# KiCad board travis_erg2024-new5.kicad_pcb (continued)
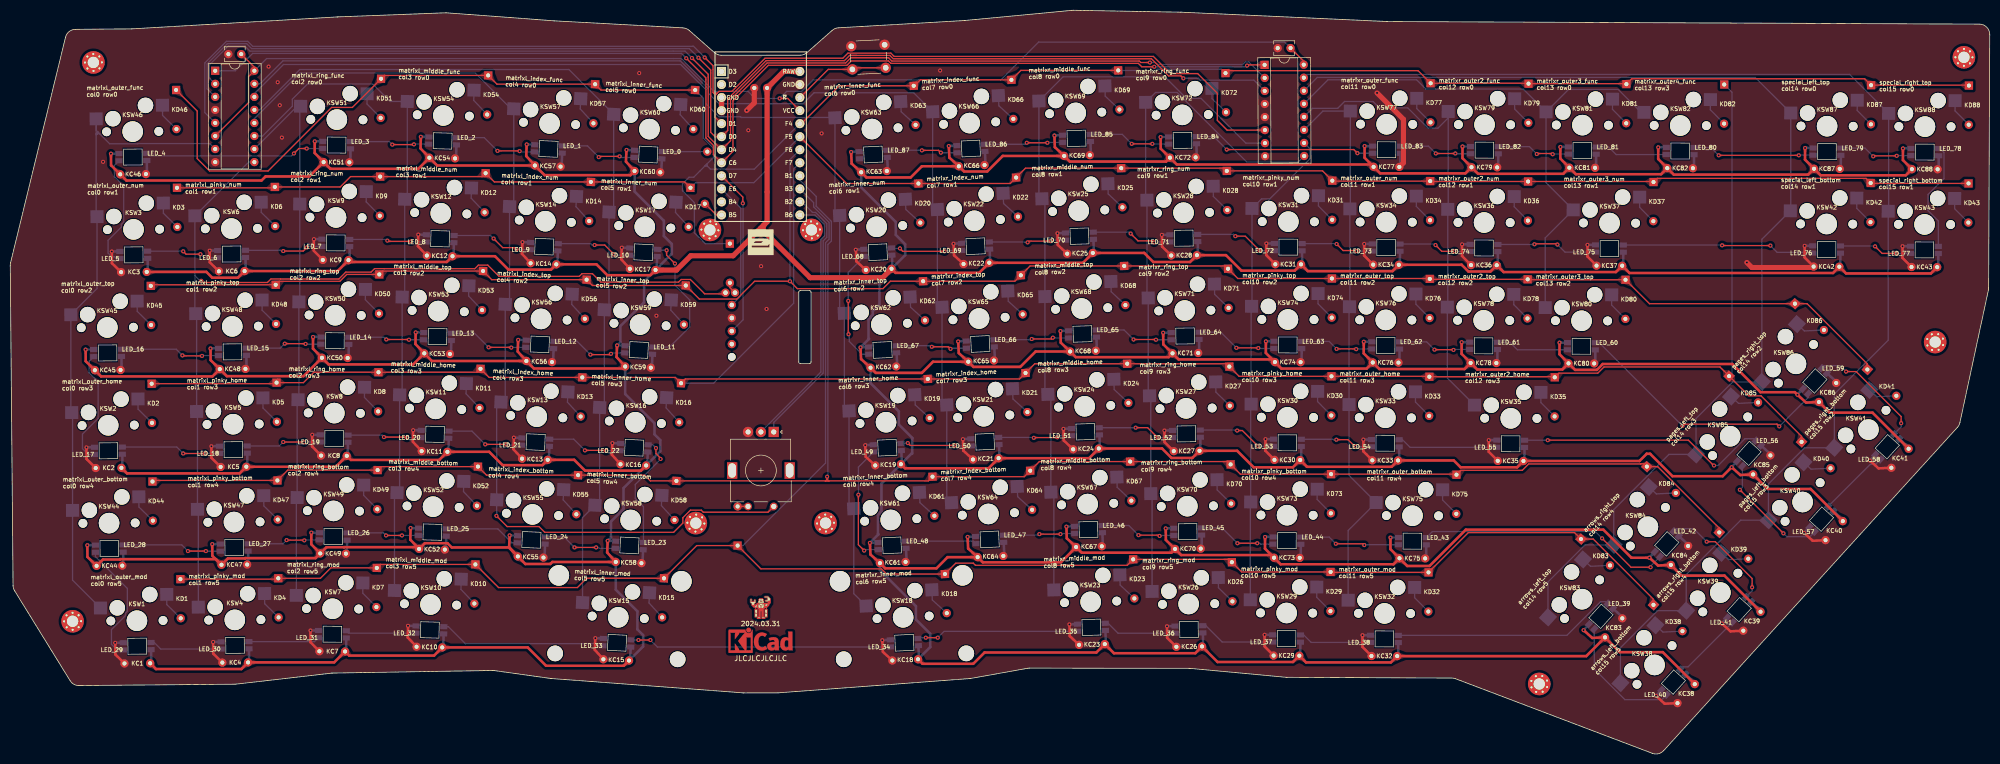
[diagram p0: board, top side]
## Routing (per net, layer and track width the routed paths; a pad name or vN(x,y) marks a point on that pad's centre or on a via; arc(x,y) is an arc through that point) (continued)
  Bottom w0.25: v1(135.16,135.57) 132.98,137.75 47.18,137.75 46.22,138.72 42.07,138.72 37.86,134.51 37.86,124.85 DIP1.5
pages_left_bottom: length 5.8
  Bottom w0.25: KD40.2 350.49,55.41 KSW40.2
pages_left_top: length 5.8
  Bottom w0.25: KD85.2 336.39,68.22 KSW85.2
pages_right_bottom: length 5.8
  Bottom w0.25: KSW41.2 363.3,69.51 367.09,69.7
pages_right_top: length 5.8
  Bottom w0.25: KD86.2 349.2,82.32 KSW86.2
RAW: length 2514.9
  Top w0.5: KC48.1 39.36,73.47 17.67,73.47 KC45.1 14.68,76.43 v1(14.66,78.7) ; KC48.1 39,76.64 v1(38.98,78.91) ; KC48.1 42.15,73.52 57.08,73.52 KC50.1 ; KC83.1 307.9,22.54 v1(306.22,24.07) ; KC83.1 313.28,19.78 321.63,19.78 KC38.1 ; KC83.1 306.74,19.01 KC32.1 268.71,17.78 252.2,17.78 KC29.1 249.66,17.86 234.98,17.86 KC26.1 230.64,19.57 214.81,19.57 KC23.1 211.39,19.72 189.63,19.72 187.43,17.52 177.55,17.52 KC18.1 ; KC55.1 97.09,40.26 v1(97.19,42.52) ; KC55.1 97.03,40.17 85.92,40.17 85.09,41 80.7,41 KC52.1 ; KC55.1 100.25,36.95 105.11,36.95 105.51,37.34 KC58.1 116.17,39.19 v1(116.28,41.46) ; KC77.1 266.62,113.01 283.21,113.01 KC79.1 ; KC77.1 263.59,116.05 v1(263.6,118.32) ; KC77.1 264.89,114.74 227.03,114.74 KC72.1 ; v1(203.23,120.38) 203.3,118.12 KC69.1 ; v1(39.31,40.81) 39.33,38.54 KC47.1 ; KC68.1 204.47,80.03 v1(204.4,82.3) ; KC68.1 199.57,78.32 196.57,75.32 187.47,75.32 KC65.1 ; KC68.1 207.38,77.22 225.47,77.22 KC71.1 ; KC47.1 42.35,38.04 45.67,38.04 45.72,38.09 59.42,38.09 KC49.1 ; KC47.1 40.02,37.89 21.42,37.89 21.35,37.82 18.04,37.82 KC44.1 15.02,38.33 v1(15,40.6) ; KC19.1 174.15,55.58 190.4,55.58 KC21.1 209.98,57.54 KC24.1 224.18,59.43 226.01,57.6 230.07,57.6 KC27.1 238.79,58.98 242.01,55.77 249.63,55.77 KC30.1 252.36,55.88 268.87,55.88 KC33.1 280.94,57.11 282.27,55.77 293.29,55.77 KC35.1 317.09,57 318.5,58.41 319.16,58.41 323.53,54.04 333.29,54.04 v1(335.04,55.79) 336.71,54.27 KC85.1 342.05,51.55 350.4,51.55 KC40.1 ; v1(163.65,117.17) 163.76,114.9 KC63.1 166.62,112.21 175.25,112.21 177.42,114.39 KC66.1 ; v1(100.52,118.65) 100.42,116.38 KC57.1 ; v1(301.54,80.05) 301.53,77.79 KC80.1 ; v1(119.94,117.57) 119.83,115.3 KC60.1 120.71,112.65 103.99,112.65 KC57.1 ; KC1.1 28.35,16.49 44.98,16.49 KC4.1 63.04,17.79 KC7.1 65.96,19.11 82.48,19.11 KC10.1 100.71,20.7 104.27,17.14 119.42,17.14 KC15.1 ; KC66.1 185.64,113.38 190.14,113.38 193.17,116.4 KC69.1 ; KC66.1 182.78,116.07 v1(182.67,118.33) ; KC79.1 285.67,112.92 302.26,112.92 KC81.1 ; KC79.1 282.64,115.97 v1(282.65,118.24) ; KC57.1 83.08,114.54 KC54.1 ; v1(77.92,43.95) 77.86,41.69 KC52.1 ; KC41.1 362.46,66.41 354.1,66.41 KC86.1 349.52,68.37 v1(347.85,69.89) 347.34,70.4 340.64,70.4 335.16,75.88 309.95,75.88 308.8,74.74 304.56,74.74 KC80.1 ; KC53.1 78.85,79.78 v1(78.91,82.04) ; KC53.1 78.42,75.81 61.96,75.81 KC50.1 ; KC53.1 82.06,76.48 KC56.1 ; KC64.1 189.29,37.27 204.48,37.27 KC67.1 ; KC64.1 182.44,38.28 180.26,36.1 170.28,36.1 KC61.1 167.42,38.79 v1(167.31,41.05) ; KC64.1 186.43,39.96 v1(186.33,42.22) ; KC82.1 323.77,112.76 349.93,112.76 KC87.1 ; KC82.1 320.74,115.8 v1(320.75,118.07) ; KC82.1 321.31,112.84 304.72,112.84 KC81.1 ; KC39.1 333.64,34.68 325.28,34.68 KC84.1 320.7,36.64 v1(319.03,38.17) 315.52,38.17 310.06,43.63 283.29,43.63 276.23,36.56 271.88,36.56 KC75.1 ; KC20.1 172.32,93.64 188.57,93.64 KC22.1 208.79,95.6 KC25.1 220.7,97.51 222.46,95.75 229.63,95.75 KC28.1 236.61,97.08 239.63,94.06 249.99,94.06 KC31.1 252.53,93.98 269.04,93.98 KC34.1 282.49,95.21 283.8,93.9 288.09,93.9 KC36.1 290.65,93.79 312.5,93.79 KC37.1 315.14,93.61 354.77,93.61 KC42.1 357.3,93.52 373.81,93.52 KC43.1 ; KC54.1 79.43,113.91 62.29,113.91 KC51.1 ; KC54.1 79.85,117.86 v1(79.91,120.13) ; v1(165.48,79.11) 165.59,76.85 KC62.1 168.45,74.16 177.42,74.16 179.6,76.33 KC65.1 ; KC75.1 269.22,36.89 247.24,36.89 KC73.1 ; KC75.1 268.62,39.83 v1(268.63,42.1) ; KC72.1 224.95,115.31 206.22,115.31 KC69.1 ; KC72.1 223.92,117.81 v1(223.89,120.07) ; KC70.1 227.89,38.68 245.45,38.68 KC73.1 ; KC70.1 224.92,41.61 v1(224.89,43.88) ; KC70.1 225.98,39.14 208.55,39.14 KC67.1 ; v1(244.39,80.3) 244.38,78.04 KC74.1 ; KC3.1 38.17,93.82 39.3,92.69 44.32,92.69 KC6.1 63.71,93.98 KC9.1 66.18,95.76 84.95,95.76 KC12.1 94.34,96.88 96.96,94.26 105.24,94.26 KC14.1 114.1,95.29 116.21,93.18 124.58,93.18 KC17.1 ; KC71.1 224.42,79.71 v1(224.39,81.97) ; KC71.1 227.39,76.78 245.62,76.78 KC74.1 ; KC67.1 205.63,41.95 v1(205.56,44.22) ; KC80.1 302.1,74.82 285.51,74.82 KC78.1 ; KC81.1 301.69,115.89 v1(301.7,118.15) ; v1(184.5,80.27) 184.61,78.01 KC65.1 ; KC73.1 244.21,39.94 v1(244.22,42.2) ; KC51.1 59.24,116.98 v1(59.26,119.25) ; KC51.1 58.21,112.41 49.69,112.41 48.9,111.62 22.6,111.62 KC46.1 19.61,114.57 v1(19.59,116.84) ; KC49.1 61.53,40.2 64.95,40.2 64.97,40.22 79.23,40.22 KC52.1 ; KC49.1 58.58,40.78 v1(58.6,43.05) ; KC87.1 349.32,115.68 v1(349.33,117.95) ; KC87.1 352.35,112.63 368.94,112.63 KC88.1 368.37,115.6 v1(368.38,117.86) ; KC76.1 266.46,74.91 283.05,74.91 KC78.1 ; KC76.1 264,74.99 247.41,74.99 KC74.1 ; KC76.1 263.43,77.95 v1(263.44,80.22) ; KC78.1 282.48,77.87 v1(282.49,80.14) ; KC50.1 58.91,78.88 v1(58.93,81.15) ; v1(118.11,79.51) 118,77.25 KC59.1 119.29,75.01 101.91,75.01 KC56.1 ; KC16.1 122.75,55.12 111.87,55.12 109.76,57.23 KC13.1 103.58,56.2 95.81,56.2 93.22,58.79 KC11.1 83.49,57.21 66.3,57.21 KC8.1 63.37,55.88 KC5.1 44.65,54.59 22.71,54.59 KC2.1 ; KC56.1 98.76,78.32 v1(98.85,80.58)
  Top w1: MCU1.24 150.53,132.85 C1.1 147.31,103.57 146.74,103.01 ; KC20.1 169.78,92.7 155.69,92.7 146.89,101.49 ; 146.06,102.32 146.89,101.49 ; 146.06,102.32 145.35,101.61 ; 146.06,102.32 146.74,103.01 ; 146.89,101.49 146.54,101.84 ; 145.35,101.61 140.7,96.97 132.45,96.97 129.67,94.19 KC17.1 ; 145.35,101.61 145.57,101.84 146.54,101.84 ; 146.74,103.01 146.54,102.81 146.54,101.84
  Bottom w0.5: KC59.1 119.68,70.05 125.38,64.34 125.38,62.19 126.52,61.05 126.52,58.89 KC16.1 ; v1(306.22,24.07) 306.22,24.08 KLED83.1 ; KC14.1 106.48,95.48 KLED14.1 ; v1(98.85,80.58) 98.86,80.59 KLED56.1 ; KLED80.1 301.54,80.06 v1(301.54,80.05) ; v1(97.19,42.52) 97.2,42.53 KLED55.1 ; KC7.1 65.37,20.11 KLED7.1 ; v1(335.04,55.79) 335.04,55.8 KLED85.1 ; v1(39.31,40.81) 39.32,40.82 KLED47.1 ; v1(184.5,80.27) 184.5,80.28 KLED65.1 ; KC29.1 251.09,19.29 KLED29.1 ; KC36.1 289.52,95.32 KLED36.1 ; KC43.1 375.24,94.95 KLED43.1 ; v1(203.23,120.38) 203.24,120.39 KLED69.1 ; KLED1.1 27.43,17.82 KC1.1 ; v1(263.6,118.32) 263.61,118.33 KLED77.1 ; v1(320.75,118.07) 320.76,118.08 KLED82.1 ; v1(163.65,117.17) 163.66,117.17 KLED63.1 ; KLED64.1 186.33,42.23 v1(186.33,42.22) ; KLED50.1 58.94,81.16 v1(58.93,81.15) ; KLED42.1 356.19,95.03 KC42.1 ; KC11.1 85.28,58.98 KLED11.1 ; KLED33.1 270.3,57.31 KC33.1 ; KLED44.1 15,40.6 v1(15,40.6) ; KC31.1 251.42,95.49 KLED31.1 ; KLED39.1 340.65,27.94 KC39.1 ; v1(319.03,38.17) 319.03,38.18 KLED84.1 ; KLED37.1 313.93,95.22 KC37.1 ; v1(347.85,69.89) 347.85,69.9 KLED86.1 ; KC4.1 46.47,17.99 KLED4.1 ; KC13.1 104.82,57.42 KLED13.1 ; KLED38.1 327.84,13.84 KC38.1 ; KLED30.1 251.25,57.39 KC30.1 ; v1(182.67,118.33) 182.68,118.34 KLED66.1 ; KLED27.1 231.66,59.19 KC27.1 ; KC41.1 369.47,59.67 KLED41.1 ; KLED46.1 19.6,116.85 v1(19.59,116.84) ; v1(223.89,120.07) 223.9,120.08 KLED72.1 ; v1(119.94,117.57) 119.94,117.57 KLED60.1 ; KLED8.1 65.7,58.21 KC8.1 ; v1(77.92,43.95) 77.92,43.96 79.48,43.92 ; KC17.1 128.72,97.32 128.76,97.32 128.76,99.25 127.21,100.8 127.21,103.78 121.51,109.48 KC60.1 ; KC17.1 123.36,91.95 123.36,87.88 118.75,83.27 118.75,80.15 v1(118.11,79.51) 118.11,79.52 KLED59.1 ; KC17.1 125.8,94.38 KLED17.1 ; v1(100.52,118.65) 100.52,118.66 KLED57.1 ; v1(79.91,120.13) 79.92,120.13 KLED54.1 ; KLED12.1 86.28,97.07 KC12.1 ; KLED34.1 270.47,95.41 KC34.1 ; KLED49.1 58.61,43.06 v1(58.6,43.05) ; KC3.1 26.76,94.02 KLED3.1 ; KLED73.1 244.23,42.21 v1(244.22,42.2) ; KLED18.1 176.86,18.6 KC18.1 179.05,20.77 179.05,20.77 179.05,23.36 176.27,26.13 176.27,28.73 169.27,35.74 KC61.1 ; KLED15.1 120.64,18.34 KC15.1 123.17,20.88 123.17,23.1 122.06,24.22 122.06,27.74 117.85,31.94 KC58.1 ; KLED45.1 14.67,78.7 v1(14.66,78.7) ; KC21.1 192.55,57.75 KLED21.1 ; KC20.1 174.17,97.09 174.17,99.2 172.35,101.03 172.35,103.54 165.61,110.28 KC63.1 ; KC20.1 169.17,92.09 169.17,87.47 167.87,86.17 167.87,85.49 167.45,85.06 167.45,84.94 167.04,84.54 167.04,80.85 167.13,80.76 v1(165.48,79.11) 165.49,79.12 KLED62.1 ; KC20.1 171.71,94.64 KLED20.1 ; KC10.1 84.28,20.9 KLED10.1 ; v1(59.26,119.25) 59.27,119.25 KLED51.1 ; KLED68.1 204.4,82.31 v1(204.4,82.3) ; 294.73,59.64 294.72,57.2 KC35.1 ; KLED67.1 205.57,44.22 v1(205.56,44.22) ; v1(244.39,80.3) 244.39,80.31 KLED74.1 ; KC62.1 167.44,72.15 172.95,66.65 172.95,64.11 175.6,61.46 175.54,61.41 175.54,58.46 175.43,58.46 KC19.1 ; KC28.1 231.16,97.28 KLED28.1 ; KC16.1 119.36,51.73 119.36,47.65 116.92,45.22 116.92,42.1 v1(116.28,41.46) 116.29,41.46 KLED58.1 ; KC16.1 123.97,56.32 KLED16.1 ; KLED88.1 368.38,117.87 v1(368.38,117.86) ; KLED32.1 270.14,19.21 KC32.1 ; KLED53.1 78.92,82.05 v1(78.91,82.04) ; KC9.1 66.03,96.3 KLED9.1 ; KC6.1 45.81,94.19 KLED6.1 ; v1(38.98,78.91) 38.98,78.92 KLED48.1 ; KC22.1 190.73,95.81 KLED22.1 ; KC24.1 212.06,59.64 KLED24.1 ; KC19.1 173.54,56.59 KLED19.1 ; KC19.1 169.56,52.59 169.56,47.24 169.25,46.93 169.25,46.84 168.87,46.47 168.87,42.81 168.97,42.71 v1(167.31,41.05) 167.32,41.06 168.87,41.14 ; KLED76.1 263.44,80.23 v1(263.44,80.22) ; v1(282.49,80.14) 282.49,80.14 KLED78.1 ; KLED2.1 21.83,55.87 KC2.1 ; v1(224.89,43.88) 224.9,43.89 KLED70.1 ; v1(282.65,118.24) 282.66,118.24 KLED79.1 ; KLED87.1 349.33,117.95 v1(349.33,117.95) ; KC23.1 213.22,21.56 KLED23.1 ; KC26.1 232.15,21.09 KLED26.1 ; KLED81.1 301.71,118.16 v1(301.7,118.15) ; v1(224.39,81.97) 224.4,81.98 KLED71.1 ; KC40.1 356.66,45.56 KLED40.1 ; KLED25.1 210.9,97.72 KC25.1 ; v1(268.63,42.1) 268.64,42.1 KLED75.1 ; KC5.1 46.14,56.09 KLED5.1
row0: length 421.3
  Top w0.25: 235.99,133.06 KD72.1 237,133.01 274,133.01 KD77.1 295.42,130.56 KD79.1 314.46,130.47 KD81.1 315.59,131.43 360.92,131.43 KD87.1 381.14,130.18 KD88.1 ; KD60.1 114.97,129.23 KD57.1 94.73,130.37 KD54.1 72.82,132.08 KD51.1 66.58,125.85 62.55,125.85 50.18,113.48 38.79,113.48 36.38,115.89 36.38,125.14 KD46.1 ; MCU1.20 153.97,122.69 161.34,130.06 KD63.1 175.97,130.06 177.14,131.22 KD66.1 196.69,133.06 KD69.1
  Bottom w0.25: KD72.1 235.76,133.29 223.2,133.29 222.95,133.03 215.67,133.03 KD69.1 ; MCU1.20 144.82,113.83 136.28,113.83 135.64,114.47 ; 135.18,114.42 135.23,114.47 135.64,114.47 ; 135.18,114.42 135.43,114.67 ; 135.18,114.42 133.02,112.26 132.11,112.26 130.84,110.99 130.84,109.62 133.15,107.31 133.15,101.44 135.27,99.32 D1.1 ; 135.61,114.85 135.61,114.5 135.64,114.47 ; 135.61,114.85 136.85,116.09 136.85,117.9 134.89,119.86 134.89,127.64 KD60.1 ; 135.61,114.85 135.43,114.67 ; 135.64,114.47 135.43,114.67
row1: length 362
  Top w0.25: MCU1.19 162.8,111.03 KD20.1 194.61,111.03 KD22.1 197.59,114.02 KD25.1 236.24,114.02 KD28.1 255.42,113.48 KD31.1 257.4,111.51 KD34.1 276.45,111.42 KD36.1 319.72,111.42 KD37.1 320.54,112.03 361.19,112.03 KD42.1 362.17,111.05 KD43.1 ; KD17.1 131.25,111.34 KD14.1 94.22,111.34 KD12.1 91.86,112.38 KD9.1 66.23,112.38 64.21,110.36 KD6.1 51.33,110.19 KD3.1
  Bottom w0.25: KD17.1 133.38,111.19 144.72,111.19 MCU1.19
row2: length 377.1
  Top w0.25: KD45.1 27.56,91.31 KD48.1 52.34,91.99 64.14,91.99 65.48,93.33 KD50.1 72.49,93.99 KD53.1 93.71,92.31 KD56.1 113.3,91.18 KD59.1 134.12,88.53 141.41,88.53 144.88,92 v1(151.75,92) ; v1(151.75,92) 153.19,90.57 169.86,90.57 171.29,92 KD62.1 195.52,92 KD65.1 198.49,94.98 KD68.1 236.48,94.98 KD71.1 238.91,92.54 KD74.1 276.2,92.54 KD76.1 276.37,92.37 KD78.1 295.41,92.29 KD80.1 319.04,87.63 KD86.1 349.72,87.63 361.45,75.9 KD41.1 ; v1(151.75,92) 151.56,92.19
  Bottom w0.25: MCU1.18 151.75,115.68 v1(151.75,92)
row3: length 447.5
  Top w0.25: KD40.1 348.64,61.8 340.75,69.69 338.38,69.69 KD85.1 332.76,75.31 310.18,75.31 308.98,74.11 301.42,74.11 KD35.1 300.5,73.41 KD33.1 276.12,73.49 KD30.1 239.16,73.49 KD27.1 236.72,75.93 KD24.1 199.39,75.93 KD21.1 196.44,72.97 KD19.1 131.39,72.97 KD16.1 129.43,73.28 KD13.1 93.2,73.28 KD11.1 90.85,74.28 KD8.1 59.08,74.28 57.06,72.26 KD5.1 51.61,72.05 KD2.1
  Bottom w0.25: MCU1.17 152.48,113.87 152.48,87.73 136.9,72.15 KD16.1 ; KD85.1 335.11,74.09 335.11,128.8 KD82.1
row4: length 380
  Top w0.25: 158.98,53.43 158.68,53.13 158.68,53.12 ; 158.98,53.43 v1(158.98,53.94) ; 158.98,53.43 158.98,53.12 ; 158.98,53.43 159.29,53.12 159.34,53.12 ; KD39.1 332.63,43.91 320.64,55.9 KD84.1 317.98,56.45 317.35,56.45 317.33,56.43 295.53,56.43 294.29,55.18 282.33,55.18 KD75.1 281.37,54.44 KD73.1 239.42,54.44 KD70.1 236.96,56.89 KD67.1 200.3,56.89 KD64.1 197.35,53.95 KD61.1 178.67,53.12 159.34,53.12 ; 159.34,53.12 158.98,53.12 ; 158.68,53.12 KD58.1 124.59,53.12 123.46,54.24 KD55.1 92.69,54.24 KD52.1 72.17,55.91 KD49.1 54.01,55.23 KD47.1 27.89,53.21 KD44.1 ; 158.68,53.12 158.98,53.12
  Bottom w0.25: v1(158.98,53.94) 159.13,54.08 159.13,99.15 159.81,99.84 159.81,103.66 156.85,106.62 156.86,106.63 156.86,108.51 153.68,111.69 MCU1.16
row5: length 387.5
  Top w0.25: KD1.1 51.99,34 KD4.1 60.37,34.16 62.38,36.18 KD7.1 72.01,36.86 KD10.1 95.03,32.36 110.38,32.36 112.18,34.16 KD15.1 133.6,40.53 D2.1 146.1,35.99 169.57,35.99 170.57,34.99 KD18.1 184.02,37.1 187.44,37.1 187.85,36.69 217.39,36.69 KD23.1 237.2,37.85 KD26.1 239.67,35.39 KD29.1 257.07,35.31 KD32.1 283.78,43.05 304.47,43.05 KD83.1 308.09,41.8 319.82,30.07 KD38.1
  Bottom w0.25: D2.1 142.61,40.53 158.68,56.6 158.68,99.51 159.36,100.19 159.36,103.47 156.36,106.47 156.36,107.3 MCU1.15
RST: length 19.1
  Top w0.25: MCU1.22 153.72,127.77 159.2,133.25 SW1.2 164.21,133.56 SW1.2
scr_to: length 2.3
  Top w0.25: SCR1.S2 140.06,90.77 D1.2
scrA: length 24.9
  Bottom w0.25: SCR1.A 142.18,89.13 142.18,106.24 MCU1.10
scrC: length 32.9
  Top w0.25: v1(142.58,107.18) 142.58,108.39 MCU1.9
  Bottom w0.25: SCR1.C 142.63,84.5 142.63,107.12 v1(142.58,107.18)
special_left_bottom: length 5.8
  Bottom w0.25: KD42.2 359.38,106.21 KSW42.2
special_left_top: length 5.8
  Bottom w0.25: KSW87.2 359.47,125.26 KD87.2
special_right_bottom: length 5.8
  Bottom w0.25: KSW43.2 378.43,106.12 KD43.2
special_right_top: length 5.8
  Bottom w0.25: KSW88.2 378.52,125.17 KD88.2

## Copper pours and planes (outline as drawn; the poured copper is in the pictures)
GND on Top: 386.97,156.25 385.35,30.22 336.68,-16.32 9.94,-13.63 -3.07,10.2 -0.38,159.5
GND on Bottom: 390.07,152.49 388.55,54.85 322.71,-13.63 5.26,-1.28 -4.39,19.55 -2.36,151.58

Small or netless copper shapes (teardrops, artwork), in the pictures only: 630 on Top, 947 on Bottom

## Text on the board
B.Silkscreen: matrixl_inner_mod / col5 row5 | matrixl_inner_bottom / col5 row4 | matrixl_inner_home / col5 row3 | matrixl_inner_top / col5 row2 | matrixl_inner_num / col5 row1 | matrixl_inner_func / col5 row0 | matrixl_index_bottom / col4 row4 | matrixl_index_home / col4 row3 | matrixl_index_top / col4 row2 | matrixl_index_num / col4 row1 | matrixl_index_func / col4 row0 | matrixl_middle_mod / col3 row5 | matrixl_middle_bottom / col3 row4 | matrixl_middle_home / col3 row3 | matrixl_middle_top / col3 row2 | matrixl_middle_num / col3 row1 | matrixl_middle_func / col3 row0 | matrixl_ring_mod / col2 row5 | matrixl_ring_bottom / col2 row4 | matrixl_ring_home / col2 row3 | matrixl_ring_top / col2 row2 | matrixl_ring_num / col2 row1 | matrixl_ring_func / col2 row0 | matrixr_pinky_mod / col10 row5 | matrixr_pinky_bottom / col10 row4 | matrixr_pinky_home / col10 row3 | matrixr_pinky_top / col10 row2 | matrixr_pinky_num / col10 row1 | matrixr_outer_mod / col11 row5 | matrixr_outer_home / col11 row3 | matrixr_outer_top / col11 row2 | matrixr_outer_num / col11 row1 | matrixr_outer_func / col11 row0 | matrixr_outer_bottom / col11 row4 | matrixr_outer2_top / col12 row2 | matrixr_outer2_num / col12 row1 | matrixr_outer2_func / col12 row0 | matrixr_outer2_home / col12 row3 | matrixr_outer3_top / col13 row2 | matrixr_outer3_func / col13 row0 | matrixr_outer3_num / col13 row1 | matrixr_outer4_func / col13 row3 | special_left_bottom / col14 row1 | special_left_top / col14 row0 | special_right_bottom / col15 row1 | special_right_top / col15 row0 | matrixl_outer_top / col0 row2 | matrixl_outer_home / col0 row3 | matrixl_outer_bottom / col0 row4 | matrixl_outer_func / col0 row0 | matrixl_outer_num / col0 row1 | matrixl_outer_mod / col0 row5 | matrixl_pinky_num / col1 row1 | matrixl_pinky_top / col1 row2 | matrixl_pinky_home / col1 row3 | matrixl_pinky_bottom / col1 row4 | matrixl_pinky_mod / col1 row5 | matrixr_ring_func / col9 row0 | matrixr_ring_num / col9 row1 | matrixr_ring_top / col9 row2 | matrixr_ring_home / col9 row3 | matrixr_ring_bottom / col9 row4 | matrixr_ring_mod / col9 row5 | matrixr_middle_func / col8 row0 | matrixr_middle_num / col8 row1 | matrixr_middle_top / col8 row2 | matrixr_middle_home / col8 row3 | matrixr_middle_bottom / col8 row4 | matrixr_middle_mod / col8 row5 | matrixr_inner_func / col6 row0 | matrixr_inner_num / col6 row1 | matrixr_inner_top / col6 row2 | matrixr_inner_home / col6 row3 | matrixr_inner_bottom / col6 row4 | matrixr_inner_mod / col6 row5 | matrixr_index_func / col7 row0 | matrixr_index_num / col7 row1 | matrixr_index_top / col7 row2 | matrixr_index_home / col7 row3 | matrixr_index_bottom / col7 row4 | arrows_left_top / col14 row5 | arrows_right_top / col14 row4 | arrows_left_bottom / col15 row5 | arrows_right_bottom / col15 row4 | pages_left_top / col14 row3 | pages_right_top / col14 row2 | pages_left_bottom / col15 row3 | pages_right_bottom / col15 row2 | JLCJLCJLCJLC
F.Silkscreen: matrixl_inner_mod / col5 row5 | matrixl_inner_bottom / col5 row4 | matrixl_inner_home / col5 row3 | matrixl_inner_top / col5 row2 | matrixl_inner_num / col5 row1 | matrixl_inner_func / col5 row0 | matrixl_index_bottom / col4 row4 | matrixl_index_home / col4 row3 | matrixl_index_top / col4 row2 | matrixl_index_num / col4 row1 | matrixl_index_func / col4 row0 | matrixl_middle_mod / col3 row5 | matrixl_middle_bottom / col3 row4 | matrixl_middle_home / col3 row3 | matrixl_middle_top / col3 row2 | matrixl_middle_num / col3 row1 | matrixl_middle_func / col3 row0 | matrixl_ring_mod / col2 row5 | matrixl_ring_bottom / col2 row4 | matrixl_ring_home / col2 row3 | matrixl_ring_top / col2 row2 | matrixl_ring_num / col2 row1 | matrixl_ring_func / col2 row0 | matrixr_pinky_mod / col10 row5 | matrixr_pinky_bottom / col10 row4 | matrixr_pinky_home / col10 row3 | matrixr_pinky_top / col10 row2 | matrixr_pinky_num / col10 row1 | matrixr_outer_mod / col11 row5 | matrixr_outer_home / col11 row3 | matrixr_outer_top / col11 row2 | matrixr_outer_num / col11 row1 | matrixr_outer_func / col11 row0 | matrixr_outer_bottom / col11 row4 | matrixr_outer2_top / col12 row2 | matrixr_outer2_num / col12 row1 | matrixr_outer2_func / col12 row0 | matrixr_outer2_home / col12 row3 | matrixr_outer3_top / col13 row2 | matrixr_outer3_func / col13 row0 | matrixr_outer3_num / col13 row1 | matrixr_outer4_func / col13 row3 | special_left_bottom / col14 row1 | special_left_top / col14 row0 | special_right_bottom / col15 row1 | special_right_top / col15 row0 | LED_16 | LED_28 | KD45 | KD2 | LED_4 | KD44 | KD46 | KD3 | KD1 | LED_15 | LED_27 | KD6 | KD48 | KD5 | KD47 | KD4 | LED_26 | LED_14 | LED_3 | KD7 | KD49 | KD8 | KD50 | KD9 | KD51 | LED_25 | LED_13 | LED_2 | KD10 | KD52 | KD11 | KD53 | KD12 | KD54 | LED_24 | LED_12 | LED_1 | KD55 | KD13 | KD56 | KD14 | KD57 | LED_23 | LED_11 | KD15 | LED_0 | KD58 | KD16 | KD59 | KD17 | KD60 | LED_87 | LED_67 | LED_48 | KD63 | KD20 | KD62 | KD19 | KD61 | KD18 | LED_86 | LED_66 | LED_47 | KD66 | KD22 | KD65 | KD21 | KD64 | LED_85 | LED_65 | LED_46 | KD69 | KD25 | KD68 | KD24 | KD67 | KD23 | LED_84 | LED_64 | LED_45 | KD72 | KD28 | KD71 | KD27 | KD70 | KD26 | LED_44 | LED_63 | KD29 | KD73 | KD30 | KD74 | KD31 | LED_62 | LED_83 | KD32 | KD33 | KD76 | KD34 | KD77 | LED_43 | KD75 | LED_61 | LED_82 | KD78 | KD36 | KD79 | KD35 | KD83 | LED_60 | LED_81 | LED_39 | KD80 | KD81 | KD37 | KD84 | KD38 | LED_42 | LED_80 | KD82 | KD39 | KD85 | LED_56 | KD86 | KD40 | LED_59 | LED_79 | KD42 | KD87 | KD41 | LED_78 | KD43 | KD88 | KC45 | KC2 | KC44 | KC46 | KC3 | KC1 | KC6 | KC48 | KC5 | KC47 | KC4 | KC7 | KC49 | KC8 | KC50 | KC9 | KC51 | KC10 | KC52 | KC11 | KC53 | KC12 | KC54 | KC55 | KC13 | KC56 | KC14 | KC57 | KC15 | KC58 | KC16 | KC59 | KC17 | KC60 | KC63 | KC20 | KC62 | KC19 | KC61 | KC18 | KC66 | KC22 | KC65 | KC21 | KC64 | KC69 | KC25 | KC68 | KC24 | KC67 | KC23 | KC72 | KC28 | KC71 | KC27 | KC70 | KC26 | KC29 | KC73 | KC30 | KC74 | KC31 | KC32 | KC33 | KC76 | KC34 | KC77 | KC75 | KC78 | KC36 | KC79 | KC35 | KC80 | KC81 | KC37 | KC83 | KC84 | KC82 | KC38 | KC39 | KC85 | KC42 | KC87 | KC86 | KC40 | KC41 | KC43 | KC88 | LED_17 | LED_5 | LED_29 | LED_6 | LED_18 | LED_30 | LED_31 | LED_19 | LED_7 | LED_32 | LED_20 | LED_8 | LED_21 | LED_9 | LED_33 | LED_22 | LED_10 | LED_68 | LED_49 | LED_34 | LED_69 | LED_50 | LED_70 | LED_51 | LED_35 | LED_71 | LED_52 | LED_36 | LED_37 | LED_53 | LED_72 | LED_38 | LED_54 | LED_73 | LED_74 | LED_55 | LED_75 | LED_40 | LED_41 | LED_76 | LED_57 | LED_58 | LED_77 | matrixl_outer_top / col0 row2 | matrixl_outer_home / col0 row3 | matrixl_outer_bottom / col0 row4 | matrixl_outer_func / col0 row0 | matrixl_outer_num / col0 row1 | matrixl_outer_mod / col0 row5 | matrixl_pinky_num / col1 row1 | matrixl_pinky_top / col1 row2 | matrixl_pinky_home / col1 row3 | matrixl_pinky_bottom / col1 row4 | matrixl_pinky_mod / col1 row5 | matrixr_ring_func / col9 row0 | matrixr_ring_num / col9 row1 | matrixr_ring_top / col9 row2 | matrixr_ring_home / col9 row3 | matrixr_ring_bottom / col9 row4 | matrixr_ring_mod / col9 row5 | matrixr_middle_func / col8 row0 | matrixr_middle_num / col8 row1 | matrixr_middle_top / col8 row2 | matrixr_middle_home / col8 row3 | matrixr_middle_bottom / col8 row4 | matrixr_middle_mod / col8 row5 | matrixr_inner_func / col6 row0 | matrixr_inner_num / col6 row1 | matrixr_inner_top / col6 row2 | matrixr_inner_home / col6 row3 | matrixr_inner_bottom / col6 row4 | matrixr_inner_mod / col6 row5 | matrixr_index_func / col7 row0 | matrixr_index_num / col7 row1 | matrixr_index_top / col7 row2 | matrixr_index_home / col7 row3 | matrixr_index_bottom / col7 row4 | arrows_left_top / col14 row5 | arrows_right_top / col14 row4 | arrows_left_bottom / col15 row5 | arrows_right_bottom / col15 row4 | pages_left_top / col14 row3 | pages_right_top / col14 row2 | pages_left_bottom / col15 row3 | pages_right_bottom / col15 row2 | 2024.03.31 | JLCJLCJLCJLC
